# Altium PCB cyber60-mx.PcbDoc (part 4 of 4)
Units mm, origin at the board's own origin, x right, y up, seen from the top; angles counter-clockwise.
Board outline 284.73 x 94.2 mm, 2 copper layers (Component Side, Bottom Layer), stack 1.571 mm thick; 250 components, 151 nets, 1030 pads, 543 vias.
Unrouted connection lines stored in the file: 6.
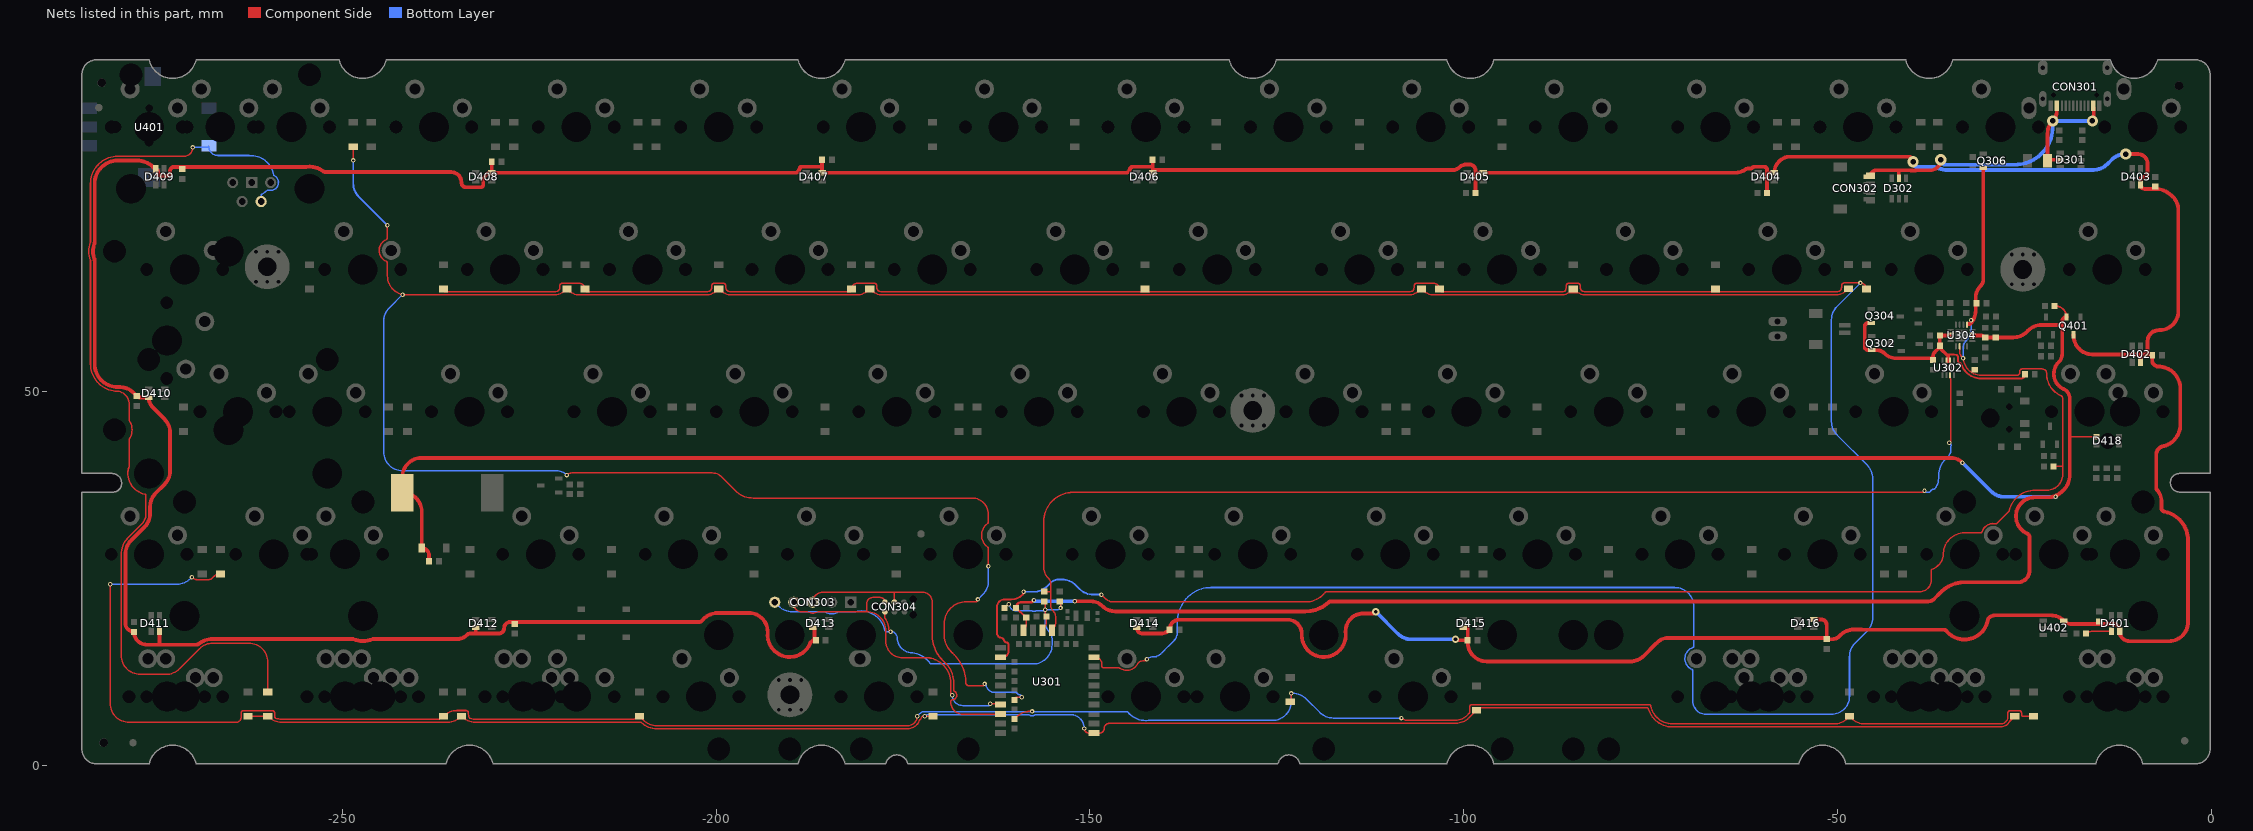
[diagram p4: the nets of this part, all layers, seen from the top]

## Via types
v1: diameter 0.6, hole 0.3, Component Side to Bottom Layer, tented both sides, 532 vias
v2: diameter 1, hole 0.5, Component Side to Bottom Layer, tented both sides, 6 vias
v3: diameter 1.5, hole 0.75, Component Side to Bottom Layer, tented both sides, 5 vias

## Nets (pads, with @x,y where several pads share a name; then routed paths per layer and width w, separated by ;. In a path a pad name is that pad's centre, name@x,y a point inside that pad or via, vN(x,y) a via of type N, cw(c..) or ccw(c..) an arc to the next point about the centre after c; other vN are vias at no path point) (continued)
P0.31/AIN7: D215.2 D217.2 D219.2 D221.2 D223.2 D225.2 D227.2 U301.9 | length 385.6
  Component Side w0.203: D227.2@-236.474,63.73 ccw(c-235.99,63.73) -236.368,63.428 ccw(c-236.209,63.554) -236.209,63.351 -232.791,63.351 -221.798,63.351 ccw(c-221.798,65.488) -221.26,63.42 ccw(c-221.311,63.617) -221.207,63.442 ccw(c-221.534,63.984) -220.901,63.984 -220.901,64.185 cw(c-220.574,64.185) -220.574,64.512 -218.333,64.512 cw(c-218.333,63.73) D225.2@-217.551,63.73 ccw(c-217.067,63.73) -217.445,63.428 ccw(c-217.286,63.554) -217.286,63.351 -216.281,63.351 -201.478,63.351 ccw(c-201.478,65.488) -200.94,63.42 ccw(c-200.991,63.617) -200.887,63.442 ccw(c-201.214,63.984) -200.581,63.984 -200.581,64.185 cw(c-200.254,64.185) -200.254,64.512 -199.034,64.512 cw(c-199.034,64.185) -198.707,64.185 -198.707,63.984 ccw(c-198.074,63.984) -198.405,63.445 ccw(c-198.297,63.617) -198.35,63.421 ccw(c-197.81,65.488) -197.81,63.351 -196.215,63.351 -182.129,63.351 ccw(c-182.129,63.554) -181.971,63.426 ccw(c-182.348,63.73) D223.2@-181.864,63.73 cw(c-181.082,63.73) -181.082,64.512 -178.841,64.512 cw(c-178.841,64.185) -178.514,64.185 -178.514,63.984 ccw(c-177.881,63.984) -178.212,63.445 ccw(c-178.104,63.617) -178.157,63.421 ccw(c-177.617,65.488) -177.617,63.351 -107.498,63.351 ccw(c-107.498,65.488) -106.97,63.418 ccw(c-107.498,65.488) -106.968,63.418 ccw(c-107.498,65.488) -106.882,63.442 ccw(c-106.94,63.637) -106.792,63.497 ccw(c-107.129,63.811) -106.669,63.811 ccw(c-107.667,64.185) -106.601,64.185 cw(c-106.274,64.185) -106.274,64.512 -104.033,64.512 cw(c-104.033,63.73) D219.2@-103.251,63.73 ccw(c-102.872,63.73) -102.872,63.351 -87.102,63.351 ccw(c-87.102,65.488) -86.538,63.427 ccw(c-86.591,63.623) -86.421,63.512 ccw(c-87.146,63.984) -86.281,63.984 -86.281,64.185 cw(c-85.954,64.185) -85.954,64.512 -84.734,64.512 cw(c-84.734,64.185) -84.407,64.185 -84.407,63.984 ccw(c-83.774,63.984) -84.105,63.445 ccw(c-83.997,63.617) -84.05,63.421 ccw(c-83.51,65.488) -83.51,63.351 -50.388,63.351 ccw(c-50.388,65.488) -49.773,63.442 ccw(c-49.832,63.636) -49.713,63.471 ccw(c-50.084,63.984) -49.451,63.984 -49.451,64.225 cw(c-49.124,64.225) -49.124,64.552 v1(-46.923,64.552) cw(c-46.923,63.73) D215.2@-46.101,63.73 ; U301.9@-149.452,14.486 -149.27,14.486 cw(c-149.27,13.616) -148.463,13.94 cw(c-149.27,13.616) -148.4,13.616 -148.4,13.288 ccw(c-148.197,13.289) -148.204,13.086 ccw(c-148.163,14.505) -148.163,13.085 -146.414,13.085 cw(c-146.411,11.876) -146.241,13.073 ccw(c-146.213,13.275) -146.216,13.071 cw(c-146.22,12.465) -145.893,12.975 ; -145.517,12.798 cw(c-145.039,14.295) -145.892,12.974 ccw(c-146.22,12.465) -145.893,12.975 ; v1(-142.367,14.224) -142.565,14.026 -142.795,14.026 ccw(c-142.797,13.016) -143.673,13.519 cw(c-145.039,14.295) -144.167,12.988 cw(c-145.039,14.295) -145.893,12.975
  Bottom Layer w0.203: v1(-142.367,14.224) cw(c-141.532,13.389) -141.532,14.57 -141.161,14.57 ccw(c-141.162,14.773) -141.077,14.589 ccw(c-142.149,16.891) -140.661,14.832 ; -140.76,14.765 ccw(c-142.149,16.891) -140.353,15.095 -139.477,15.971 cw(c-139.192,15.686) -139.454,15.992 ccw(c-139.586,16.147) -139.442,16.003 -138.795,16.65 ccw(c-140.021,17.877) -138.287,17.877 -138.287,19.26 cw(c-133.731,19.26) -137.731,21.44 cw(c-133.731,19.26) -136.553,22.836 cw(c-133.731,19.26) -136.291,23.028 ccw(c-136.405,23.197) -136.286,23.032 cw(c-133.858,19.663) -133.858,23.816 -71.755,23.816 cw(c-71.755,21.276) -69.215,21.276 -69.215,15.972 cw(c-69.418,15.973) -69.351,15.781 ccw(c-68.839,14.295) -69.464,12.853 ; -69.463,12.853 cw(c-69.545,12.667) -69.342,12.668 -69.342,8.62 ccw(c-67.564,8.62) -67.564,6.842 -50.816,6.842 ccw(c-50.816,9.271) -50.813,6.842 ccw(c-50.816,9.271) -48.387,9.271 -48.387,14.569 cw(c-45.847,14.569) -47.643,16.365 -46.026,17.982 ccw(c-47.822,19.778) -45.282,19.778 -45.282,38.388 ccw(c-47.822,38.388) -46.026,40.184 -50.056,44.214 cw(c-48.26,46.01) -50.8,46.01 -50.8,59.623 cw(c-48.26,59.623) -50.056,61.419 v1(-46.923,64.552)
P1.00: D216.2 D218.2 D220.2 D222.2 D224.2 D226.2 D228.2 U301.36 | length 364
  Component Side w0.203: v1@-248.539,80.899 D228.2@-248.539,82.78 ; v1(-243.967,72.263) -243.967,70.596 cw(c-244.221,70.595) -244.117,70.363 ccw(c-243.465,68.905) -244.117,67.447 cw(c-244.221,67.215) -243.967,67.214 -243.967,65.488 ccw(c-241.427,65.488) -241.427,62.948 -221.798,62.948 ccw(c-221.798,65.488) -220.002,63.692 D226.2@-219.964,63.73 D226.2@-219.904,63.67 ; v1(-219.964,38.862) cw(c-219.287,38.185) -219.287,39.142 -200.523,39.142 cw(c-200.523,37.383) -199.275,38.623 -197.422,36.769 -197.419,36.767 ccw(c-197.132,37.05) -197.414,36.761 ccw(c-195.035,39.151) -195.035,35.779 -193.042,35.779 cw(c-193.042,35.576) -193.04,35.779 -165.735,35.779 cw(c-165.735,33.642) -163.928,34.783 cw(c-164.099,34.673) -163.926,34.78 cw(c-165.735,33.642) -163.598,33.642 -163.598,32.554 cw(c-163.801,32.553) -163.68,32.39 ccw(c-162.502,30.805) -163.68,29.22 cw(c-163.801,29.057) -163.598,29.056 -163.598,26.692 ccw(c-163.576,26.692) v1(-163.576,26.67) ; D226.2@-219.903,63.669 ccw(c-218.161,65.413) -219.39,63.276 ccw(c-218.161,65.413) -218.161,62.948 -201.478,62.948 ccw(c-201.478,65.488) -200.23,63.276 ccw(c-201.478,65.488) -199.682,63.692 D224.2@-199.644,63.73 -199.606,63.692 ccw(c-197.81,65.488) -199.058,63.276 ccw(c-197.81,65.488) -197.81,62.948 -181.254,62.948 ccw(c-181.254,65.413) -180.025,63.276 ccw(c-181.254,65.413) -179.511,63.67 D222.2@-179.451,63.73 -179.413,63.692 ccw(c-177.617,65.488) -178.865,63.276 ccw(c-177.617,65.488) -177.617,62.948 -107.498,62.948 ccw(c-107.498,65.488) -106.25,63.276 ccw(c-107.498,65.488) -105.702,63.692 D220.2@-105.664,63.73 -105.604,63.67 ccw(c-103.861,65.413) -105.09,63.276 ccw(c-103.861,65.413) -103.861,62.948 -87.102,62.948 ccw(c-87.102,65.488) D218.2@-85.854,63.276 ; -168.337,15.014 cw(c-166.28,17.47) -169.476,17.694 ccw(c-169.679,17.707) -169.475,17.706 -169.475,18.975 cw(c-166.532,18.975) -166.532,21.919 -165.279,21.919 ccw(c-165.279,22.225) v1(-164.973,22.225) ; -168.336,15.013 cw(c-169.369,13.774) -168.333,15.01 cw(c-169.369,13.774) -168.134,14.812 ccw(c-167.979,14.944) -168.125,14.802 cw(c-171.958,11.052) -166.963,13.003 ccw(c-166.774,13.078) -166.957,12.989 cw(c-168.402,12.273) -166.822,12.595 ccw(c-166.623,12.637) -166.818,12.581 cw(c-171.958,11.052) -166.732,12.255 cw(c-171.958,11.052) -166.596,11.052 ccw(c-166.234,11.052) -166.234,10.69 -164.316,10.69 ccw(c-164.316,10.922) v1(-164.084,10.922) ; U301.36@-160.102,8.771 cw(c-159.729,8.771) -159.729,9.144 v1(-159.131,9.144) ; D218.2@-85.306,63.692 cw(c-87.102,65.488) D218.2@-85.854,63.276 ; D216.2@-48.514,63.77 -48.592,63.692 cw(c-50.388,65.488) -50.388,62.948 -83.51,62.948 cw(c-83.51,65.488) -84.758,63.276 D218.2@-85.854,63.276
  Bottom Layer w0.203: v1(-241.935,62.992) -243.731,61.196 ccw(c-241.935,59.4) -244.475,59.4 -244.475,41.967 ccw(c-241.935,41.967) -241.935,39.427 -221.329,39.427 cw(c-221.329,37.497) v1(-219.964,38.862) ; v1(-164.973,22.225) -164.32,22.878 ccw(c-166.116,24.674) -163.576,24.674 v1(-163.576,26.67) ; v1(-164.084,10.922) -164.072,10.922 cw(c-164.073,10.719) -163.873,10.75 ccw(c-162.743,10.922) -162.743,9.779 -159.919,9.779 cw(c-159.92,9.576) -159.753,9.692 ccw(c-159.258,10.033) -159.723,9.651 ccw(c-159.258,10.033) -159.514,9.488 ccw(c-159.258,10.033) -159.321,9.435 cw(c-159.343,9.233) -159.145,9.275 -159.145,9.158 v1(-159.131,9.144)
  Bottom Layer w0.254: v1(-248.541,80.942) -248.541,77.89 ccw(c-246.001,77.89) -247.797,76.093 v1(-243.967,72.263)
P1.04: D257.2 D259.2 D261.2 D263.2 D265.2 D267.2 U301.40 | length 308.3
  Component Side w0.203: v1(-281.051,24.257) -281.051,8.309 ccw(c-278.511,8.309) -278.511,5.769 -264.226,5.769 ccw(c-264.226,6.448) -263.548,6.448 -263.548,7.035 cw(c-263.246,7.035) -263.246,7.337 -259.359,7.337 cw(c-259.359,7.035) -259.057,7.035 -259.057,6.542 ccw(c-258.854,6.543) -258.931,6.355 ccw(c-258.135,8.338) -258.135,6.201 -237.099,6.201 ccw(c-237.1,6.404) -237.027,6.215 ccw(c-237.642,7.748) -236.988,6.231 cw(c-236.908,6.044) -236.985,6.233 -236.982,6.233 D265.2@-236.474,6.58 -236.414,6.64 cw(c-234.671,4.897) -234.671,7.362 -233.451,7.362 cw(c-233.451,7.035) -233.124,7.035 -233.124,6.834 ccw(c-232.259,6.834) -233.007,6.399 ccw(c-232.831,6.501) -232.896,6.309 ccw(c-232.227,8.338) -232.227,6.201 -211.163,6.201 ccw(c-211.163,7.495) D263.2@-210.249,6.58 -209.747,6.078 ccw(c-207.951,7.874) -207.951,5.334 -174.371,5.334 ccw(c-174.371,6.604) -173.248,6.012 ccw(c-174.371,6.604) v1(-173.101,6.604) ; v1(-270.117,25.196) ccw(c-269.278,26.035) -269.413,24.856 ccw(c-269.278,26.035) -269.278,24.848 -267.97,24.848 ccw(c-267.97,25.662) -267.395,25.086 -267.081,25.4 cw(c-266.526,24.845) -266.526,25.63 D267.2@-266.319,25.63 ; U301.40@-160.102,6.231 -159.838,6.495 cw(c-158.042,4.699) -158.042,7.239 v1(-157.734,7.239) ; D261.2@-123.19,8.525 -123.063,8.652 v1(-123.063,9.652) ; v1(-108.331,6.35) ccw(c-107.611,7.07) -107.611,6.052 -101.084,6.052 ccw(c-101.084,8.188) -99.572,6.679 -99.269,6.981 ccw(c-99.413,7.125) -99.21,7.125 -99.21,7.837 cw(c-98.908,7.837) -98.908,8.139 -75.167,8.139 cw(c-75.168,7.935) -74.968,7.973 ccw(c-72.074,8.509) -72.074,5.566 -50.453,5.566 ccw(c-50.453,8.106) -48.657,6.31 D259.2@-48.387,6.58 -48.117,6.31 ccw(c-46.321,8.106) -46.321,5.566 -28.196,5.566 ccw(c-28.196,6.561) -27.201,6.561 -27.201,7.035 cw(c-26.899,7.035) -26.899,7.337 -25.679,7.337 cw(c-25.679,7.035) -25.377,7.035 -25.377,6.783 ccw(c-25.174,6.783) -25.174,6.58 D257.2@-23.749,6.58
  Bottom Layer w0.203: v1(-281.051,24.257) -272.107,24.257 ccw(c-272.107,26.797) -270.311,25.001 v1(-270.117,25.196) ; v1(-173.101,6.604) -172.795,6.91 ; -172.794,6.911 cw(c-172.055,6.171) -172.055,7.217 -150.727,7.217 ; -151.613,7.217 -145.101,7.217 cw(c-145.1,7.014) -144.944,7.145 ccw(c-142.499,9.215) -142.183,6.027 -125.603,6.027 ccw(c-125.603,8.567) -123.063,8.567 v1(-123.063,9.652) -122.845,9.652 cw(c-122.845,7.112) -121.049,8.908 -119.235,7.094 ccw(c-117.439,8.89) -117.439,6.35 v1(-108.331,6.35)
P1.09: R304.2 U301.17 U302.7 | length 153.4
  Component Side w0.203: R304.2@-156.083,23.256 -155.216,23.256 ; U301.17@-155.072,18.106 -154.954,18.224 ccw(c-155.906,19.177) -154.559,19.177 -154.559,19.781 ccw(c-155.86,19.781) -154.94,20.701 cw(c-154.273,21.368) -155.216,21.368 -155.216,23.256 ; v1(-38.354,36.75) cw(c-38.567,36.75) -38.567,36.537 -152.273,36.537 ccw(c-152.273,32.639) -156.171,32.639 -156.171,26.414 ccw(c-155.365,26.414) -156.163,26.299 cw(c-156.364,26.271) -156.162,26.291 ccw(c-154.242,26.479) -155.605,25.114 -155.534,25.042 cw(c-156.293,24.279) -155.216,24.279 -155.216,23.256 ; U302.7@-34.929,52.268 -34.906,52.245 -34.906,51.797 -34.832,51.723 v1@-34.832,43.307
  Bottom Layer w0.203: v1@-38.154,36.576 -37.743,36.576 ccw(c-37.744,36.779) -37.567,36.679 cw(c-37.043,36.385) -37.093,36.984 ccw(c-37.112,37.186) -36.955,37.057 ccw(c-38.608,38.411) -36.695,37.46 ccw(c-38.608,38.411) -36.471,38.411 -36.471,38.826 ; -36.471,38.836 cw(c-36.268,38.836) -36.471,38.838 -36.471,38.842 ; -36.471,38.862 ccw(c-33.528,38.826) -36.471,38.842 ; v1(-35.052,43.18) cw(c-35.13,42.992) -34.986,43.136 -34.851,43.001 cw(c-34.995,42.857) -34.795,42.818 ccw(c-33.55,42.567) -34.82,42.567 -34.82,42.34 cw(c-36.375,42.34) -35.277,41.24 -35.61,40.906 ccw(c-33.528,38.826) -36.471,38.842
P1.11: D258.2 D260.2 D262.2 D264.2 D266.2 D270.2 U301.1 | length 244
  Component Side w0.203: D266.2@-262.636,6.58 D270.2@-259.969,6.58 -259.931,6.542 ccw(c-258.135,8.338) -258.135,5.798 -235.895,5.798 ccw(c-235.895,8.338) -234.099,6.542 D264.2@-234.061,6.58 -234.023,6.542 ccw(c-232.227,8.338) -232.227,5.798 -210.119,5.798 cw(c-210.12,5.595) -209.98,5.743 ccw(c-207.951,7.874) -207.951,4.931 -174.371,4.931 ccw(c-174.371,6.604) -172.796,6.04 cw(c-172.605,5.97) -172.731,6.13 ccw(c-173.101,6.604) -172.519,6.453 cw(c-172.322,6.401) -172.323,6.604 v1(-172.085,6.604) -171.024,6.604 D262.2@-171,6.58 ; v1(-150.749,4.953) ccw(c-150.122,4.953) -150.122,4.326 U301.1@-149.452,4.326 -148.709,4.326 ccw(c-148.709,4.953) -148.082,4.953 cw(c-147.387,4.953) -147.387,5.648 -101.084,5.648 ccw(c-101.084,8.188) -99.288,6.392 D260.2@-98.298,7.382 cw(c-97.445,6.529) -97.445,7.735 -75.486,7.735 cw(c-75.487,7.532) -75.292,7.589 ccw(c-72.074,8.509) -72.074,5.163 -28.196,5.163 ccw(c-28.196,6.561) -27.259,5.523 ccw(c-28.196,6.561) -26.971,5.887 cw(c-26.793,5.789) -26.937,5.932 -26.741,6.128 ccw(c-26.885,6.271) -26.687,6.227 -26.797,6.227 D258.2@-26.289,6.58
  Bottom Layer w0.203: v1(-172.085,6.604) cw(c-171.579,6.098) -171.995,6.68 cw(c-171.579,6.098) -171.579,6.814 -158.236,6.814 cw(c-158.237,6.61) -158.11,6.77 ccw(c-157.734,7.239) -157.358,6.77 cw(c-157.231,6.61) -157.232,6.814 -156.718,6.814 -152.61,6.814 cw(c-152.61,4.953) v1(-150.749,4.953)
RAW: CON301.A4B9 CON301.B4A9 CON302.1 D301.5 D302.5 F301.2 | length 46.7
  Component Side w0.5: CON302.1@-45.625,78.75 cw(c-44.746,78.75) -44.746,79.629 -41.783,79.629 ; D302.5@-41.783,78.591 -41.783,79.629 ; v3(-36.195,81.026) cw(c-37.592,81.026) -37.592,79.629 -39.44,79.629 ccw(c-39.441,79.129) -39.57,79.612 cw(c-39.878,80.772) -40.186,79.612 ccw(c-40.315,79.129) -40.316,79.629 -41.783,79.629 ; CON301.B4A9@-20.65,88 -20.65,87.583 cw(c-22.559,87.583) v3(-21.209,86.233) ccw(c-19.563,84.587) -21.891,84.587 F301.2@-21.891,80.899 cw(c-21.584,80.592) -21.584,81.026 D301.5@-20.171,81.026 ; v3@-15.7,86.535 CON301.A4B9@-15.7,88
  Bottom Layer w0.5: v3(-36.195,81.026) ccw(c-35.55,81.026) -35.55,80.381 -26.262,80.381 ccw(c-26.262,85.433) -21.209,85.433 v3(-21.209,86.233) v3@-16.002,86.233
  other v3: -15.9,86.233
ROT_SW_A1: CON401.1 D270.1 U401.1 | length 132.2
  Component Side w0.203: -280.257,50.077 cw(c-280.035,53.721) -280.655,50.123 cw(c-280.035,53.721) -282.092,50.704 cw(c-280.035,53.721) -283.131,51.786 cw(c-280.035,53.721) -283.686,53.721 -283.686,67.534 ccw(c-283.889,67.535) -283.698,67.604 cw(c-280.465,68.783) -283.698,69.962 ccw(c-283.889,70.031) -283.686,70.032 -283.686,77.85 cw(c-280.035,77.85) -283.24,79.599 cw(c-280.035,77.85) -281.556,81.169 cw(c-280.035,77.85) -280.035,81.501 -278.384,81.501 -276.763,81.501 -271.178,81.501 ccw(c-271.178,82.677) v1(-270.002,82.677) ; -280.256,50.076 ccw(c-280.035,53.721) -280.119,50.071 cw(c-280.124,49.868) -280.106,50.07 cw(c-280.257,48.331) -278.511,48.331 -278.511,47.052 -278.511,46.234 ccw(c-278.308,46.236) -278.481,46.129 cw(c-280.465,44.907) -278.481,43.685 ccw(c-278.308,43.578) -278.511,43.578 -278.511,40.078 cw(c-278.714,40.077) -278.523,40.009 cw(c-278.714,40.077) -278.523,40.008 ; -278.687,39.134 cw(c-275.888,39.06) -278.523,40.008 ; D270.1@-259.969,9.85 -259.969,13.831 ccw(c-262.509,13.831) -262.509,16.371 -267.311,16.371 ccw(c-267.311,13.831) -269.107,15.627 -271.798,12.936 cw(c-273.594,14.732) -273.594,12.192 -277.035,12.192 cw(c-277.035,14.732) -279.575,14.732 -279.575,28.285 cw(c-276.479,28.285) -279.287,29.588 cw(c-276.479,28.285) -278.669,30.473 -276.855,32.287 ccw(c-278.257,33.691) -276.273,33.691 -276.273,36.113 ccw(c-276.476,36.114) -276.436,36.314 cw(c-275.888,39.06) -278.523,40.008
  Bottom Layer w0.203: v1(-270.002,82.677) -268.082,82.677 ccw(c-268.082,82.915) U401.1@-267.844,82.915 ccw(c-266.336,82.915) -267.839,82.794 ccw(c-266.649,82.794) -267.53,81.994 ccw(c-266.649,82.794) -266.65,81.604 ; -266.649,81.604 -262.488,81.604 cw(c-262.488,81.401) -262.467,81.603 -261.834,81.538 cw(c-262.128,78.61) -259.618,80.147 cw(c-262.128,78.61) -259.205,78.958 cw(c-259.588,77.978) -258.568,77.723 cw(c-259.588,77.978) -259.522,76.928 cw(c-259.588,77.978) -259.902,76.974 ccw(c-259.963,76.781) -260.02,76.976 -260.025,76.971 cw(c-262.105,79.053) -260.761,76.435 ccw(c-260.668,76.254) -260.858,76.327 CON401.1@-260.858,75.438
SWDCLK: CON303.3 CON304.4 U301.39 | length 41.3
  Component Side w0.203: CON303.3@-187.071,21.844 cw(c-185.718,21.844) -185.718,23.197 -176.149,23.197 ; CON304.4@-176.149,21.844 -176.149,23.197 ; -169.448,13.838 cw(c-171.958,11.052) -168.432,12.327 ccw(c-168.241,12.397) -168.402,12.273 ccw(c-168.199,12.274) -168.392,12.212 cw(c-171.958,11.052) -168.208,11.052 -168.208,10.097 ccw(c-168.005,10.098) -168.106,9.922 cw(c-168.402,9.398) -167.977,8.973 -168.017,8.932 cw(c-168.16,9.077) -168.061,8.899 -168.11,8.872 cw(c-168.402,9.398) -168.336,8.8 cw(c-168.402,9.398) -168.366,8.797 ccw(c-168.354,8.595) -168.402,8.792 ccw(c-168.336,8.524) -168.522,8.728 ccw(c-168.336,8.524) -168.612,8.524 -168.612,8.503 ccw(c-166.975,8.503) -166.975,6.866 U301.39@-161.952,6.866 ; -169.369,13.774 cw(c-166.28,17.47) -170.131,14.578 cw(c-166.28,17.47) -171.088,17.747 ccw(c-171.291,17.758) -171.088,17.757 -171.088,21.866 ccw(c-172.419,21.866) -171.745,23.014 ccw(c-171.847,22.838) -171.766,23.024 ccw(c-172.607,21.06) -172.607,23.197 -176.149,23.197
SWDIO: CON303.4 CON304.2 U301.37 | length 41.2
  Component Side w0.203: CON303.4@-189.581,21.568 ccw(c-188.586,21.568) -189.58,21.54 ccw(c-188.586,21.568) -189.14,20.743 ccw(c-188.586,21.568) -188.586,20.574 -187.833,20.574 cw(c-187.832,20.371) -187.738,20.551 ccw(c-187.071,21.844) -186.404,20.551 cw(c-186.31,20.371) -186.309,20.574 -179.832,20.574 ; CON304.2@-177.419,21.844 ccw(c-178.054,21.844) -178.054,22.479 -179.07,22.479 ccw(c-179.07,21.717) -179.832,21.717 -179.832,20.574 ; v1(-168.402,9.398) cw(c-168.402,9.608) -168.612,9.608 -168.612,11.052 ccw(c-171.958,11.052) -168.614,11.169 ccw(c-171.958,11.052) -168.625,11.351 ccw(c-171.958,11.052) -170.475,14.052 ccw(c-171.624,12.319) -171.624,14.398 -175.053,14.398 cw(c-175.053,16.637) -177.292,16.637 -177.292,18.034 ccw(c-179.832,18.034) -179.832,20.574 ; v1(-163.322,8.255) -162.071,8.255 U301.37@-161.952,8.136
  Bottom Layer w0.203: v1(-168.402,9.398) ccw(c-167.027,9.398) -167.027,8.023 -163.525,8.023 ccw(c-163.525,8.226) -163.322,8.226 v1(-163.322,8.255)
UG_OUT: D401.4 R404.1 | length 3.5
  Component Side w0.203: R404.1@-16.749,17.653 cw(c-16.068,16.972) -16.068,17.935 D401.4@-13.35,17.935 cw(c-13.418,18.003) D401.4@-13.418,17.907
VBAT: C307.2 C312.2 C313.2 Q302.2 Q304.2 R311.2 U302.2 U302.3 U304.2 U304.3 | length 33.1
  Component Side w0.254: -35.179,54.981 -34.534,54.981 cw(c-34.534,53.467) -34.064,54.906 cw(c-34.143,54.665) -33.889,54.666 -33.889,54.185 ccw(c-33.562,54.185) -33.628,53.865 cw(c-33.681,53.616) -33.44,53.698 ccw(c-30.749,54.61) -32.823,52.668 ccw(c-30.749,54.61) -30.749,51.768 -25.463,51.768 ccw(c-25.463,52.324) R311.2@-24.907,52.324
  Component Side w0.5: Q304.2@-45.466,59.187 -45.91,59.187 ccw(c-45.91,58.743) -46.355,58.743 -46.355,56.045 ccw(c-45.875,56.045) -45.875,55.565 Q302.2@-45.396,55.565 -44.767,55.565 cw(c-44.767,54.039) -43.688,55.118 ccw(c-42.155,56.651) -43.307,54.814 ccw(c-42.155,56.651) -42.155,54.483 C307.2@-37.592,54.483 ; C307.2@-37.211,54.117 C307.2@-37.211,54.244 -37.211,54.737 cw(c-36.41,54.737) -36.977,55.303 -36.457,55.823 -36.457,55.959 C312.2@-36.307,56.109 ; -35.179,54.102 -35.179,54.737 -36.307,55.865 C312.2@-36.307,56.109 ; -34.925,57.531 C313.2@-36.307,57.531 C312.2@-36.307,56.134 C312.2@-36.307,56.109
VBUS: C308.2 C309.2 Q306.2 R305.1 U301.27 U304.6 U304.13 | length 220
  Component Side w0.203: v1(-148.463,22.86) -147.974,22.371 ccw(c-146.794,23.551) -146.794,21.882 -121.158,21.882 ccw(c-121.158,25.229) -118.543,23.141 cw(c-118.384,23.014) -118.383,23.217 -104.775,23.217 -99.51,23.217 ccw(c-99.51,23.42) -99.474,23.22 -99.436,23.227 -99.392,23.235 -39.006,23.235 ccw(c-39.006,24.776) -37.465,24.776 -37.465,26.062 cw(c-37.262,26.062) -37.368,26.235 -37.364,26.238 ccw(c-38.04,28.265) -36.506,26.778 cw(c-36.36,26.636) -36.501,26.783 ccw(c-37.995,28.341) -35.837,28.271 ccw(c-36.443,28.292) -35.837,28.286 ccw(c-36.443,28.292) -35.837,28.289 cw(c-32.96,28.265) -35.806,28.687 cw(c-32.96,28.265) -32.703,31.13 -30.843,31.13 ccw(c-30.844,31.333) -30.651,31.272 cw(c-29.15,30.805) -29.698,32.278 cw(c-29.15,30.805) -29.561,32.322 cw(c-29.15,30.805) -28.842,32.346 ccw(c-28.803,32.546) -28.66,32.401 -27.056,34.006 ccw(c-27.2,34.149) -27.002,34.104 cw(c-23.596,33.345) -23.558,36.834 -21.973,36.834 ccw(c-21.971,38.923) -21.087,37.03 ccw(c-21.175,37.213) -21.072,37.038 -21.031,37.062 cw(c-20.928,36.888) -21.013,37.072 -20.948,37.102 ccw(c-21.034,37.287) -20.934,37.11 ccw(c-21.971,38.923) -20.417,37.527 ccw(c-21.971,38.923) -19.882,38.923 -19.882,40.132 ; U304.6@-33.651,56.081 -33.651,55.213 ccw(c-33.448,55.214) -33.608,55.089 cw(c-34.143,54.665) -33.473,54.795 ccw(c-33.274,54.836) -33.463,54.761 -33.46,54.761 -33.162,54.61 ccw(c-30.749,54.61) -30.749,52.197 -26.035,52.197 ccw(c-26.035,52.705) -25.662,52.36 ccw(c-25.812,52.497) -25.609,52.496 -25.609,52.749 cw(c-25.307,52.749) -25.307,53.051 -22.612,53.051 cw(c-22.612,52.452) -22.013,52.452 ccw(c-18.834,52.395) -21.992,52.028 cw(c-22.194,52.006) -21.991,52 ccw(c-21.588,51.986) -21.97,51.857 cw(c-22.162,51.792) -21.963,51.829 ccw(c-18.834,52.395) -21.914,51.606 ccw(c-18.834,52.395) -20.123,49.488 ccw(c-19.956,49.855) -20.115,49.485 cw(c-20.273,49.122) -19.878,49.118 ccw(c-18.923,49.118) -19.878,49.115 -19.878,45.299 ccw(c-18.923,45.212) -19.878,45.293 ; R305.1@-20.686,40.005 -20.009,40.005 ccw(c-20.009,40.132) -19.882,40.132 ; -19.878,45.292 ccw(c-18.923,45.212) -19.882,45.212 -19.882,40.132
  Component Side w0.254: U301.27@-161.952,14.486 -161.653,14.486 ccw(c-161.653,15.245) -160.909,15.096 ccw(c-161.653,15.245) -160.894,15.245 ccw(c-161.202,15.356) -160.875,15.356 -160.875,16.156 ccw(c-161.202,16.156) -161.137,16.477 ccw(c-161.194,16.229) -161.142,16.478 ccw(c-161.194,16.229) -161.194,16.483 -161.202,16.483 cw(c-161.201,16.737) -161.446,16.67 ccw(c-162.052,16.51) -161.539,16.87 ccw(c-162.052,16.51) -162.017,17.136 cw(c-162,17.389) -162.156,17.189 cw(c-161.707,17.759) -162.433,17.759 -162.433,21.209 cw(c-161.417,21.209) -161.417,22.225 -160.513,22.225 ccw(c-160.513,24.369) -158.997,22.853 ccw(c-159.287,23.143) -158.877,23.143 v1(-158.877,23.241)
  Component Side w0.5: -32.512,59.058 -32.255,59.058 ccw(c-34.051,60.854) -31.511,60.854 -31.511,62.566 cw(c-29.292,62.566) -30.861,64.135 ccw(c-31.781,65.055) -30.48,65.055 -30.48,79.93 Q306.2@-30.484,79.934
  Bottom Layer w0.203: v1(-33.2,54.483) -33.2,55.669 cw(c-31.285,55.669) -32.639,57.023 ccw(c-33.865,58.249) -32.131,58.249 v1(-32.131,59.563)
  Bottom Layer w0.254: v1(-158.877,23.241) -157.516,23.241 ccw(c-157.516,25.781) -155.72,23.985 -155.262,24.443 cw(c-154.178,23.359) -154.178,24.892 -153.717,24.892 cw(c-153.717,22.327) -151.903,24.141 -151.373,23.611 ccw(c-149.559,25.425) -149.559,22.86 v1(-148.463,22.86)
VCC_EXT: C401.2 C402.2 C403.2 C404.2 C405.2 C406.2 C407.2 C408.2 C409.2 C410.2 C411.2 C412.2 C413.2 C414.2 C415.2 C416.2 D401.1 D402.1 D403.1 D404.1 D405.1 D406.1 D407.1 D408.1 D409.1 D410.1 D411.1 D412.1 D413.1 D414.1 D415.1 D416.1 Q401.3 U402.5 | length 718.1
  Component Side w0.508: D409.1@-275.257,79.994 ccw(c-277.49,77.85) -275.531,80.247 ccw(c-277.49,77.85) -275.533,80.248 ccw(c-277.49,77.85) -277.485,80.946 -280.035,80.946 ccw(c-280.035,77.85) -283.119,78.119 ccw(c-280.035,77.85) -283.131,77.85 -283.131,69.988 cw(c-283.639,69.986) -283.164,69.806 ccw(c-280.465,68.783) -283.164,67.76 cw(c-283.639,67.58) -283.131,67.578 -283.131,53.721 ccw(c-280.035,53.721) -281.316,50.903 ccw(c-280.035,53.721) -280.035,50.625 -279.755,50.625 cw(c-279.755,48.085) -277.958,49.881 C410.2@-277.495,49.418 ccw(c-277.051,49.862) -277.051,49.234 D410.1@-275.893,49.234 ccw(c-273.966,49.234) -275.329,47.872 -273.794,46.337 cw(c-275.59,44.541) -273.05,44.541 -273.05,39.406 cw(c-275.59,39.406) -273.794,37.61 -274.973,36.431 ccw(c-273.177,34.635) -275.717,34.635 -275.717,33.691 cw(c-278.257,33.691) -276.461,31.895 -278.275,30.081 ccw(c-276.479,28.285) -278.743,29.436 ccw(c-276.479,28.285) -279.019,28.285 -279.019,19.035 ccw(c-277.876,19.035) C411.2@-277.876,17.892 ccw(c-276.14,17.892) -276.14,16.156 -274.379,16.156 ; D409.1@-274.95,79.815 cw(c-275.162,79.353) -274.654,79.353 -274.654,79.315 ccw(c-274.2,79.315) -274.2,78.861 -273.5,78.861 ccw(c-273.5,79.315) -273.046,79.315 -273.046,79.52 cw(c-272.491,79.52) -272.491,80.074 -270.637,80.074 -254.895,80.074 ccw(c-254.895,80.582) -254.821,80.08 ccw(c-254.895,80.582) -254.819,80.08 cw(c-254.381,77.16) -253.907,80.075 cw(c-254.381,77.16) -252.575,79.496 ccw(c-252.264,79.898) -252.264,79.39 -238.252,79.39 -235.479,79.39 ; D411.1@-274.45,17.935 -274.45,16.328 ccw(c-274.207,16.328) -274.379,16.156 ; -235.458,79.39 cw(c-235.458,78.003) -234.071,78.003 -234.071,78 ccw(c-233.414,78) -233.418,77.343 ccw(c-233.411,79.39) -233.411,77.343 -231.521,77.343 ccw(c-231.521,77.724) -231.14,77.724 -231.14,78.178 cw(c-230.018,78.178) D408.1@-230.018,79.3 ; D412.1@-232.148,18.45 -232.156,18.45 -232.156,17.646 ; C408.2@-230.012,80.772 -230.012,79.306 D408.1@-230.018,79.3 ; -193.103,17.65 ccw(c-190.156,17.47) -193.04,16.835 ccw(c-190.156,17.47) -188.452,15.059 ccw(c-190.156,17.47) -187.429,16.338 cw(c-186.961,16.141) -187.321,16.499 -187.204,16.616 cw(c-186.846,16.256) -186.846,16.764 -186.846,18.231 ccw(c-187.065,18.231) D413.1@-187.065,18.45 ; -193.103,17.651 ccw(c-193.61,17.68) -193.102,17.678 -193.102,17.88 ccw(c-195.642,17.88) -195.642,20.42 -199.359,20.42 ccw(c-199.359,19.792) -199.408,20.418 cw(c-199.446,20.925) -199.473,20.418 ccw(c-199.649,17.47) -200.077,20.392 ccw(c-199.988,19.792) -200.12,20.384 cw(c-200.229,20.88) -200.185,20.374 ccw(c-199.649,17.47) -201.908,19.373 cw(c-202.296,19.7) -202.296,19.192 -204.317,19.192 -210.058,19.192 -226.06,19.192 -227.569,19.192 ccw(c-227.569,18.415) -228.346,18.415 cw(c-229.115,18.415) -229.115,17.646 -232.156,17.646 ; -188.879,79.727 cw(c-189.38,79.815) -189.226,79.33 cw(c-189.422,79.947) -189.422,79.3 D408.1@-230.018,79.3 ; -188.879,79.728 cw(c-188.432,79.65) -188.776,79.947 cw(c-188.618,79.947) -188.618,80.104 -185.947,80.104 ccw(c-185.947,80.235) -185.816,80.235 ; C407.2@-185.816,81.026 -185.816,80.235 ; D414.1@-143.715,18.45 ccw(c-142.911,18.45) -142.911,17.646 -140.577,17.646 ccw(c-140.577,19.404) C414.2@-139.334,18.161 cw(c-137.988,18.161) -139.253,18.62 cw(c-137.988,18.161) -139.207,18.732 cw(c-137.988,18.161) -137.988,19.507 -123.529,19.507 cw(c-123.529,17.644) -121.667,17.72 cw(c-123.529,17.644) -121.666,17.644 ccw(c-118.718,17.47) -120.027,14.823 ccw(c-118.718,17.47) -115.808,16.966 ccw(c-118.718,17.47) -115.793,17.877 ccw(c-116.301,17.897) -115.793,17.908 -115.793,17.918 cw(c-115.238,17.926) -115.793,17.924 cw(c-115.238,17.926) -115.793,17.928 cw(c-115.238,17.926) -115.793,17.933 ccw(c-116.301,17.937) -115.793,17.94 -115.793,17.95 ; C406.2@-141.62,81.026 -141.585,81.026 -141.585,80.104 ; -115.793,17.951 -115.793,17.957 ccw(c-116.301,17.959) -115.793,17.964 ; -115.793,17.966 cw(c-115.238,17.97) -115.793,17.974 ; -115.793,17.975 cw(c-113.426,17.973) -114.992,19.749 ccw(c-115.33,20.128) -114.972,19.768 -114.91,19.829 cw(c-114.552,19.469) -114.807,19.909 -114.658,19.995 ccw(c-114.913,20.434) -114.652,19.999 cw(c-113.426,17.973) -113.426,20.341 -112.677,20.341 ; -112.649,20.341 -112.195,20.341 ccw(c-112.195,20.849) v2(-111.76,20.587) ; v2(-101.092,16.891) ccw(c-100.785,17.198) -100.785,16.764 C415.2@-99.456,16.764 ; D415.1@-99.58,18.45 -99.498,18.45 cw(c-99.498,18.408) -99.456,18.408 C415.2@-99.456,16.764 ; C405.2@-98.425,76.454 -98.425,79.3 ; -63.514,79.306 cw(c-63.69,81.724) -63.69,79.3 D405.1@-97.368,79.3 -98.425,79.3 ; -63.325,79.328 ccw(c-63.69,81.724) -62.32,79.724 cw(c-61.893,79.097) -61.891,79.856 -61.71,79.856 ccw(c-61.71,80.364) -61.369,79.987 cw(c-61.065,79.65) -61.065,80.104 -59.823,80.104 cw(c-59.823,79.702) -59.421,79.702 -59.421,79.3 ; C404.2@-59.421,76.581 -59.421,79.3 ; D416.1@-53.152,19.55 -52.189,19.55 cw(c-52.189,18.796) -51.435,18.796 C416.2@-51.435,16.906 ; v3@-39.878,81.153 ccw(c-40.577,80.454) -40.577,81.442 -56.293,81.442 ccw(c-56.293,79.3) D404.1@-58.435,79.3 -59.421,79.3 ; Q401.3@-18.415,57.601 -18.415,57.531 ccw(c-15.875,57.531) -15.875,54.991 -9.525,54.991 ; v3(-11.43,81.788) -9.779,81.788 cw(c-9.779,80.518) -8.509,80.518 -8.509,79.21 cw(c-8.979,79.21) -8.979,78.74 -9.069,78.74 ccw(c-9.069,78.359) -9.45,78.359 D403.1@-9.45,77.685 ccw(c-8.902,77.685) -8.902,77.137 -7.493,77.137 cw(c-7.493,74.041) -5.369,76.293 cw(c-6.937,74.295) -4.397,74.295 -4.397,60.758 cw(c-6.91,60.758) -6.91,58.245 ccw(c-6.91,56.261) -7.732,58.067 ccw(c-7.522,57.604) -7.733,58.067 ccw(c-7.522,57.604) -7.778,58.043 ccw(c-7.033,56.769) -8.509,56.77 ; D402.1@-9.447,53.854 cw(c-8.474,53.935) D402.1@-9.45,53.935 -9.45,54.916 ccw(c-9.525,54.916) -9.525,54.991 ; -8.509,56.769 -8.509,55.372 -8.509,54.991 ; -3.957,32.572 cw(c-6.985,30.147) -3.106,30.147 -3.106,19.177 cw(c-5.646,19.177) -5.646,16.637 -10.952,16.637 cw(c-10.952,17.935) D401.1@-12.25,17.935 -12.25,18.092 ccw(c-13.081,18.092) -13.081,18.923 -18.64,18.923 cw(c-18.64,20.432) U402.5@-19.707,19.365 ccw(c-21.467,17.605) -21.467,20.094 -28.959,20.094 ccw(c-28.959,19.073) -29.815,19.631 ccw(c-29.39,19.352) -29.889,19.444 cw(c-32.994,20.01) -29.98,19.075 cw(c-32.994,20.01) -29.981,19.073 cw(c-32.994,20.01) -30.261,18.432 ccw(c-29.822,18.176) -30.262,18.43 cw(c-32.994,20.01) -35.412,17.982 ccw(c-35.801,17.654) -35.802,18.162 -37.338,18.162 -46.736,18.192 -47.812,18.192 ccw(c-47.812,15.652) -49.608,17.448 -49.784,17.272 cw(c-50.668,18.156) -50.668,16.906 C416.2@-51.435,16.906 ; -3.957,32.572 ccw(c-6.985,30.147) -6.168,33.939 cw(c-6.168,34.416) -6.645,34.416 -6.645,35.017 cw(c-6.137,35.017) -6.643,35.057 ccw(c-9.118,35.25) -6.645,35.462 ccw(c-9.118,35.25) -7.242,36.876 cw(c-6.858,37.209) -7.366,37.209 -7.366,37.973 -7.366,41.496 cw(c-6.036,41.496) -6.798,42.586 cw(c-6.508,42.169) -6.596,42.67 ccw(c-7.112,45.593) -6.036,42.826 ccw(c-7.112,45.593) -4.71,43.848 ccw(c-7.112,45.593) -4.143,45.593 -4.143,50.419 ccw(c-7.112,50.419) -4.467,51.767 ccw(c-7.112,50.419) -7.112,53.388 cw(c-7.112,54.165) -7.889,54.165 C402.2@-7.889,54.864 ccw(c-8.016,54.864) -8.016,54.991 -8.509,54.991 ; -274.379,16.156 -274.066,16.156 -269.538,16.156 ccw(c-269.538,16.664) -269.224,16.265 cw(c-267.311,13.831) -268.833,16.527 cw(c-267.311,13.831) -267.311,16.927 -248.669,16.927 cw(c-248.669,16.419) -248.481,16.891 ccw(c-247.242,20.01) -246.003,16.891 cw(c-245.815,16.419) -245.814,16.927 -234.612,16.927 ccw(c-234.612,18.669) -233.336,17.484 cw(c-232.964,17.138) -232.962,17.646 -232.156,17.646 ; -185.816,80.235 -185.816,79.3 D407.1@-185.802,79.3 -145.236,79.3 -145.164,79.3 ccw(c-145.164,79.808) -144.663,79.725 cw(c-144.215,79.65) -144.215,80.104 -141.585,80.104 ; -141.585,80.104 -141.585,79.667 -101.412,79.667 ccw(c-101.412,80.838) -100.584,80.01 cw(c-99.664,79.09) -99.664,80.391 -99.187,80.391 cw(c-99.187,79.629) -98.425,79.629 -98.425,79.3 ; C415.2@-99.456,16.764 -99.456,16.463 ccw(c-96.916,16.463) -99.452,16.328 ccw(c-96.916,16.463) -96.916,13.923 -92.964,13.923 -77.705,13.923 ccw(c-77.705,16.463) -75.909,14.667 -74.251,16.326 ccw(c-75.565,18.034) -74.041,16.51 cw(c-72.673,15.142) -72.673,17.077 -70.104,17.077 -56.261,17.077 -54.763,17.077 -51.847,17.077 cw(c-51.847,16.494) C416.2@-51.435,16.906 ; -9.525,54.991 -8.509,54.991
  Bottom Layer w0.508: v2(-111.76,20.587) -108.808,17.635 ccw(c-107.012,19.431) -107.012,16.891 v2(-101.092,16.891) ; v3(-39.878,80.772) ccw(c-38.89,80.772) -39.783,80.35 ccw(c-39.323,80.566) -39.323,80.058 -37.129,80.058 cw(c-37.127,79.299) -36.768,79.967 cw(c-37.127,79.299) -36.766,79.966 ccw(c-36.195,81.026) -36.279,79.825 cw(c-36.331,79.068) -36.277,79.825 cw(c-36.331,79.068) -36.098,79.79 ccw(c-35.942,80.274) -36.076,79.784 ccw(c-35.55,81.026) -35.55,79.677 -15.737,79.677 ccw(c-15.737,82.217) -13.94,80.421 -13.317,81.044 cw(c-11.521,79.248) v3@-11.521,81.788
VDD: C305.2 CON303.5 CON304.1 L301.1 R303.1 R304.1 U301.19 | length 62.6
  Component Side w0.203: CON304.1@-177.419,20.574 -177.419,19.782 ccw(c-177.216,19.782) -177.385,19.669 cw(c-179.832,18.034) -176.969,18.718 cw(c-179.832,18.034) -176.89,18.105 ; U301.19@-156.342,18.106 ccw(c-157.617,19.381) -155.814,19.381 C305.2@-155.814,19.939 cw(c-155.814,20.081) -155.956,20.081 v1(-155.956,20.828) -155.956,21.829 ccw(c-156.083,21.829) R304.1@-156.083,21.956 ; R303.1@-154.051,21.956 cw(c-154.051,21.829) -153.924,21.829 v1(-153.924,21.082)
  Bottom Layer w0.203: CON303.5@-192.151,21.844 -191.625,21.318 ccw(c-189.829,23.114) -189.829,20.574 -185.494,20.574 cw(c-185.493,20.371) -185.382,20.541 ccw(c-184.531,21.844) -183.68,20.541 cw(c-183.569,20.371) -183.568,20.574 -181.407,20.574 ccw(c-181.407,20.777) -181.358,20.58 cw(c-180.589,17.47) -180.007,20.62 cw(c-180.589,17.47) -178.627,20.002 ; -178.627,20.002 cw(c-180.589,17.47) -177.497,18.305 cw(c-180.589,17.47) -177.46,18.153 ccw(c-177.261,18.198) -177.432,18.088 ccw(c-177.099,18.305) -177.099,17.907 v1(-176.657,17.907) -176.59,17.907 cw(c-176.59,17.107) -175.79,17.107 ccw(c-173.769,17.107) -174.039,15.103 ccw(c-173.961,15.705) -173.987,15.099 ccw(c-173.961,15.705) -173.985,15.099 cw(c-174.117,11.755) -173.804,15.087 ccw(c-173.751,15.691) -173.786,15.085 ccw(c-173.751,15.691) -173.784,15.085 cw(c-173.807,14.683) -173.741,15.081 ccw(c-173.65,15.68) -173.724,15.078 ccw(c-173.65,15.68) -173.721,15.078 cw(c-174.117,11.755) -171.376,13.675 ccw(c-171.21,13.792) -171.211,13.589 -157.607,13.589 ccw(c-157.607,16.129) -155.067,16.129 -155.067,16.987 ccw(c-156.368,16.987) -155.448,17.907 cw(c-154.222,19.133) -155.956,19.133 v1(-155.956,20.828) ; v1@-160.782,21.59 ccw(c-159.893,21.59) -159.893,20.701 -157.856,20.701 cw(c-157.857,20.498) -157.762,20.678 ccw(c-157.48,21.209) -157.198,20.678 cw(c-157.103,20.498) -157.104,20.701 -156.144,20.701 ccw(c-156.144,20.904) v1(-155.956,20.828) ; v1(-153.924,21.082) cw(c-154.537,21.695) -154.537,20.828 v1(-155.956,20.828)
  other v1: -160.85,21.59
VSYS: BZ401.1 C301.2 C302.2 C310.2 C311.2 D417.2 D418.2 Q401.2 R402.2 R405.1 U301.23 U304.10 U304.11 | length 440.6
  Component Side w0.203: U301.23@-158.882,18.106 ccw(c-159.814,19.038) -158.496,19.038 C302.2@-158.496,19.797 ; -18.923,44.069 ccw(c-18.689,44.303) -18.689,43.972 D418.2@-15.357,43.972
  Component Side w0.254: R402.2@-20.94,61.468 -20.832,61.468 cw(c-20.832,60.001) Q401.2@-19.365,60.001
  Component Side w0.3: C302.2@-158.496,19.797 -158.771,20.047 -159.618,20.847 C301.2@-159.893,21.097 cw(c-159.143,21.097) -159.143,21.847 -157.731,21.847 v1(-157.48,22.098)
  Component Side w0.5: R405.1@-238.394,27.305 -238.394,28.098 ccw(c-239.379,28.098) D417.2@-239.379,29.083 -239.379,33.96 ccw(c-241.919,33.96) -241.919,36.5 BZ401.1@-241.966,36.5 -241.966,38.608 cw(c-239.426,38.608) -239.426,41.148 -211.525,41.148 -34.807,41.148 cw(c-34.807,38.98) v1(-33.274,40.513) ; -31.877,57.531 -30.875,57.531 cw(c-30.875,56.613) C311.2@-30.226,57.262 C310.2@-28.829,57.262 -26.467,57.262 ccw(c-26.467,59.802) -24.671,58.006 -24.493,58.184 cw(c-22.697,56.388) -22.697,58.928 -19.939,58.928 ; Q401.2@-19.365,60.001 ccw(c-19.365,59.427) -19.939,59.427 -19.939,58.928 ; -18.923,40.767 -18.923,44.069 -18.923,49.118 ccw(c-20.273,49.122) -19.73,50.359 cw(c-18.834,52.395) -20.362,54.012 ccw(c-21.383,55.033) -19.939,55.033 -19.939,58.928
  Component Side w0.508: v1(-152.019,21.971) -149.831,21.971 cw(c-149.831,19.894) -148.363,21.363 ccw(c-146.567,23.159) -146.567,20.619 -138.938,20.619 -121.178,20.619 ccw(c-121.178,25.229) -118.073,21.821 cw(c-117.731,21.446) -117.729,21.954 -37.889,21.954 ccw(c-37.889,23.132) -37.062,22.293 -37.055,22.3 -36.267,23.088 ccw(c-36.626,23.447) -36.257,23.098 cw(c-32.994,20.01) -34.502,24.242 ; -35.416,23.794 cw(c-32.943,19.931) -33.202,24.51 cw(c-32.943,19.931) -33.187,24.511 -25.892,24.511 ccw(c-25.892,26.092) -24.311,26.092 -24.311,30.562 ccw(c-24.819,30.563) -24.614,31.028 cw(c-23.596,33.345) -24.645,31.042 cw(c-23.596,33.345) -23.566,35.875 ccw(c-23.56,36.383) -23.56,35.875 -21.971,35.875 ccw(c-21.971,38.923) -18.923,38.923 -18.923,40.767
  Bottom Layer w0.5: v1(-33.274,40.513) -29.446,36.685 ccw(c-27.65,38.481) -27.65,35.941 v1(-20.828,35.941)
  Bottom Layer w0.508: v1(-157.48,22.098) -157.455,22.098 -157.328,21.971 v1(-152.019,21.971)
pads on no net: CON301. CON301.A8 CON301.B8 CON304.0 CON304.6 D301.3 D301.4 D302.3 D302.4 D416.2 D418. FID1.0 FID2.0 FID3.0 FID4.0 S201. S202. S203. S204. S205. S206. S207. S208. S209. S210. S211. S212. S213. S214. S215. S216. S217. S218. S219. S220. S221. S222. S223. S224. S225. S226. S227. S228. S229. S230. S231. S232. S233. S234. S235. S236. S237. S238. S239. S240. S241. S242. S243. S244. S245. S246. S247. S248. S249. S250. S251. S252. S253. S254. S255. S256. S256_1. S257. S258. S258_1. S259. S259_1. S260. S261. S262. S263. S264. S264_1. S265. S265_1. S266. S267. STAB1. STAB2.@-265.225,44.907 STAB2.@-273.48,56.845 STAB2.@-280.465,44.907 STAB2.@-280.465,68.783 SW301. U302.5 U401. U401.M
copper on no net: | length 3.4
  Bottom Layer w0.203: -23.876,5.632 ccw(c-23.876,7.769) -22.375,6.248 ccw(c-23.876,7.769) -21.739,7.769

## Polygon pours and split planes (outlines as drawn)
GND on Component Side "Component Side-No Net" (solid, remove dead copper, pour order 8): -0.635,93.995 -0.635,0.65 -284.48,0.65 -284.48,93.995
GND on Bottom Layer "Component Side-No Net" (solid, remove dead copper, pour order 4): -0.635,93.995 -0.635,0.65 -284.48,0.65 -284.48,93.995

## Other copper
Component Side:
  pour cut-out: -189.992,-1.016 -118.364,-1.016 -118.364,2.413 ccw(c-119.634,2.413) -119.634,3.683 -188.722,3.683 ccw(c-188.722,2.413) -189.992,2.413
Bottom Layer:
  pour cut-out: -189.992,-1.016 -118.364,-1.016 -118.364,2.413 ccw(c-119.634,2.413) -119.634,3.683 -188.722,3.683 ccw(c-188.722,2.413) -189.992,2.413

## Silkscreen, mask and mechanical layers (free items; w line width, h text height)
Top Overlay:
  drawing of 22 lines, arcs and shapes, not listed
  text "ROT A" at -265.176,83.312 h0.75 r270
  text "ROT C" at -262.636,83.312 h0.75 r270
  text "ROT B" at -260.096,83.312 h0.75 r270
  text "ROT SW" at -264.16,72.898 h0.75
  text "Battery connector:" at -85.344,60.575 h0.75
  text "CON305: JST S2B-PH-KS (PH THT) / CON306: JST SM02B-SRSS-TB (SM SMD)" at -91.948,57.277 h0.75
  text "NOTE: Use only one 1 cell, 3.7V battery" at -93.947,55.274 h0.75
  text "ON  | OFF" at -30.988,42.688 h0.75 r90
  text "DIO" at -189.992,25.781 h0.75 r270
  text "CLK" at -187.579,25.781 h0.75 r270
  text "RST" at -185.039,25.781 h0.75 r270
  text "GND" at -182.499,25.781 h0.75 r270
  text "CON304" at -130.175,24.384 h0.75
  text "3V3" at -191.897,23.749 h0.75 r90
  text "2" at -177.546,23.495 h0.75
  text "6" at -175.006,23.495 h0.75
  text "Double tap S301 to enter bootloader (if flashed)" at -118.266,22.033 h0.75
  text "1: DIO - 2: 3V3 / 3: RST - 4: CLK / 5: GND - 6: NC" at -133.604,19.939 h0.75
  text "1" at -177.546,18.161 h0.75
  text "5" at -174.879,18.161 h0.75
  text "cyber60" at -145.814,3.374 h5
  text "MX" at -129.667,3.302 h2
  text "by 4pplet" at -135.89,1.397 h2
  text "Rev E1" at -145.796,1.27 h2
Bottom Overlay:
  circle w0.4: c-14.097,5.207 r0.75
  circle w0.4: c-37.909,5.207 r0.75
  circle w0.4: c-61.721,5.207 r0.75
  circle w0.4: c-142.684,5.207 r0.75
  circle w0.4: c-271.271,5.207 r0.75
  circle w0.4: c-247.459,5.207 r0.75
  circle w0.4: c-223.646,5.207 r0.75
  circle w0.4: c-45.662,19.883 r0.75
  circle w0.4: c-64.712,19.883 r0.75
  lines w0.2: -264.668,76.708 -264.668,74.168 -259.588,74.168 -259.588,76.708 ; -240.284,17.653 -214.122,17.653 ; -234.397,20.391 -232.029,20.391 ; -222.559,20.391 -220.191,20.391 ; -69.537,17.145 -41.537,17.145 ; -62.185,19.883 -59.817,19.883 ; -50.347,19.883 -47.979,19.883 ; -265.938,76.708 -258.318,76.708 -258.318,79.248 -265.938,79.248 -265.938,76.708 ; -235.104,20.391 -234.397,21.098 -234.397,19.684 -235.104,20.391 ; -220.191,19.684 -219.484,20.391 -220.191,21.098 -220.191,19.684 ; -62.892,19.883 -62.185,19.176 -62.185,20.59 -62.892,19.883 ; -59.563,56.388 -56.515,56.388 -56.515,60.198 -56.515,60.579 -59.563,60.579 -59.563,56.388 ; -47.979,19.176 -47.979,20.59 -47.272,19.883 -47.979,19.176
  text "ROT A" at -264.414,83.312 h0.75 r90
  text "ROT C" at -261.874,83.312 h0.75 r90
  text "ROT B" at -259.334,83.312 h0.75 r90
  text "ROT SW" at -259.969,72.898 h0.75
  text "ON  | OFF" at -32.004,42.688 h0.75 r270
  text "< 7U" at -200.008,20.066 h1.52 r270
  text "< 6.25U" at -181.212,20.066 h1.52 r270
  text "< 7U" at -85.708,20.066 h1.52 r270
  text "< 6.25U" at -81.009,19.939 h1.52 r270
  text "x" at -237.725,19.704 h1.75
  text "x" at -218.167,19.704 h1.75
  text "X shows 6.25U space with 1.25U mods" at -214.63,18.157 h0.75
  text "Circles shows Tsangan layout, 7U space" at -41.783,17.649 h0.75
  text "x" at -273.983,4.591 h1.75
  text "x" at -250.171,4.591 h1.75
  text "x" at -226.358,4.591 h1.75
  text "x" at -202.546,4.591 h1.75
  text "x" at -131.108,4.591 h1.75
  text "x" at -59.671,4.591 h1.75
  text "x" at -35.858,4.591 h1.75
  text "x" at -12.046,4.591 h1.75
outline:
  lines w0.1: -284.861,36.576 -280.67,36.576 ccw(c-280.67,37.719) -279.527,37.719 -279.527,37.795 ccw(c-280.797,37.795) -280.797,39.065 -284.85,39.065 -284.85,92.415 cw(c-282.85,92.415) -282.85,94.415 -275.85,94.415 ccw(c-272.7,95.149) -269.55,94.415 -250.424,94.415 ccw(c-247.274,95.149) -244.124,94.415 -189.05,94.415 ccw(c-185.9,95.149) -182.75,94.415 -131.361,94.415 ccw(c-128.211,95.149) -125.061,94.415 -102.25,94.415 ccw(c-99.1,95.149) -95.95,94.415 -40.874,94.415 ccw(c-37.724,95.149) -34.574,94.415 -13.477,94.415 ccw(c-10.327,95.149) -7.177,94.415 ; -284.85,36.565 -284.85,2.215 ccw(c-282.85,2.215) -282.85,0.215 -275.85,0.215 cw(c-272.7,-0.52) -269.55,0.215 -236.137,0.215 cw(c-232.987,-0.52) -229.838,0.215 -189.05,0.215 cw(c-185.9,-0.52) -182.75,0.215 -177.293,0.215 ; -177.293,0.254 cw(c-175.832,-0.087) -174.371,0.254 -124.842,0.254 cw(c-123.381,-0.087) -121.92,0.254 ; -121.92,0.215 -102.25,0.215 cw(c-99.1,-0.52) -95.95,0.215 -55.161,0.215 cw(c-52.011,-0.52) -48.861,0.215 -15.45,0.215 cw(c-12.3,-0.52) -9.15,0.215 -2.15,0.215 ccw(c-2.15,2.215) -0.15,2.215 ccw(c-0.15,2.238) -0.127,2.238 -0.127,36.576 -4.191,36.576 cw(c-4.191,37.846) -5.461,37.846 cw(c-4.242,37.846) -4.242,39.065 -0.15,39.065 -0.15,92.415 ccw(c-2.15,92.415) -2.15,94.415 -7.15,94.415
Prophet:
  drawing of 495 lines, arcs and shapes, not listed
  text "PROPHET" at -20.347,93.6 h0.5
Plain60 - Flex:
  drawing of 558 lines, arcs and shapes, not listed
  text "PLAIN60" at -19.839,93.6 h0.5
Voyager60:
  drawing of 1064 lines, arcs and shapes, not listed
  text "VOYAGER60" at -20.474,93.6 h0.5
ArcticPCB:
  drawing of 445 lines, arcs and shapes, not listed
  text "ARCTICPCB" at -19.966,93.6 h0.5
GH60:
  drawing of 762 lines, arcs and shapes, not listed
  text "GH60" at -19.204,93.6 h0.5
Polaris:
  circle w0.013: c-9.15,85.415 r2.5
  lines w0.013: -22.675,97.915 -14.675,97.915 ; -18.675,96.415 -18.675,97.915 ; -15.65,78.415 -2.65,92.415 ; -284.45,1.715 ccw(c-282.7,1.715) -282.7,-0.035 -2.3,-0.035 ccw(c-2.3,1.715) -0.55,1.715 -0.55,92.915 ccw(c-2.3,92.915) -2.3,94.665 -12.5,94.665 cw(c-12.5,95.665) -13.492,95.54 ccw(c-14.484,95.415) -14.484,96.415 -22.866,96.415 ccw(c-22.866,95.415) -23.858,95.54 cw(c-24.85,95.665) -24.85,94.665 -282.7,94.665 ccw(c-282.7,92.915) -284.45,92.915 -284.45,1.715
  lines w0.1: -18.675,90 -18.675,93
  text "POLARIS" at -20.22,93.6 h0.5
Tsuki:
  drawing of 725 lines, arcs and shapes, not listed
  text "TSUKI" at -18.823,93.6 h0.5
Mechanical 9:
  lines w0.2: -189.992,2.413 -189.992,-1.016 -188.722,-1.016
  lines w0.203: -189.992,2.413 cw(c-188.722,2.413) -188.722,3.683 -119.634,3.683 cw(c-119.634,2.413) -118.364,2.413 -118.364,-1.016 -188.722,-1.016
Plate:
  drawing of 630 lines, arcs and shapes, not listed

## Dimensions
-0.15,92.415 to -284.85,92.415 on top dimensions
-9.15,0.215 to -7.177,94.415 on top dimensions
-0.15,92.415 to -284.85,92.415 on bot dimensions
-9.15,0.215 to -2.15,94.415 on bot dimensions

## Text inside footprints (layer, text, board x,y; h text height)
CON301: Mechanical 15 "connector edge" at -15.25,95.5 h1 r180
S261: Mehanical 16 "6.25U" at -188.764,5.615 h1.52 r270; Mehanical 16 "7U" at -208.331,7.365 h1.52 r270